# Altium PCB merci_mini.PcbDoc
Units mm, origin at the board's own origin, x right, y up, seen from the top; angles counter-clockwise.
Board outline 18.25 x 46.25 mm, 2 copper layers (Top Layer, Bottom Layer); 53 components, 40 nets, 250 pads, 88 vias.
Unrouted connection lines stored in the file: 1.
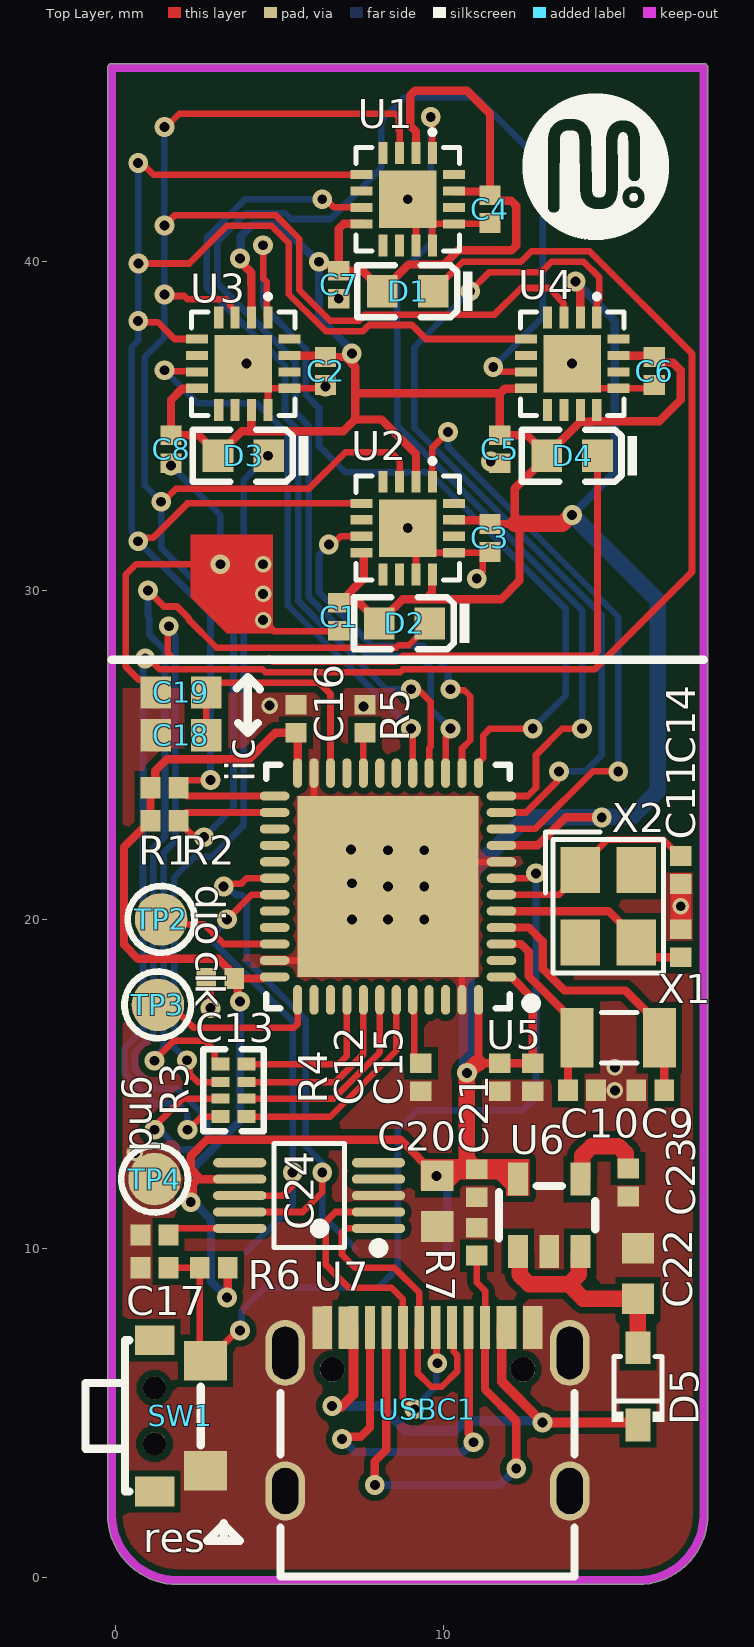
[diagram p0: Top Layer view]
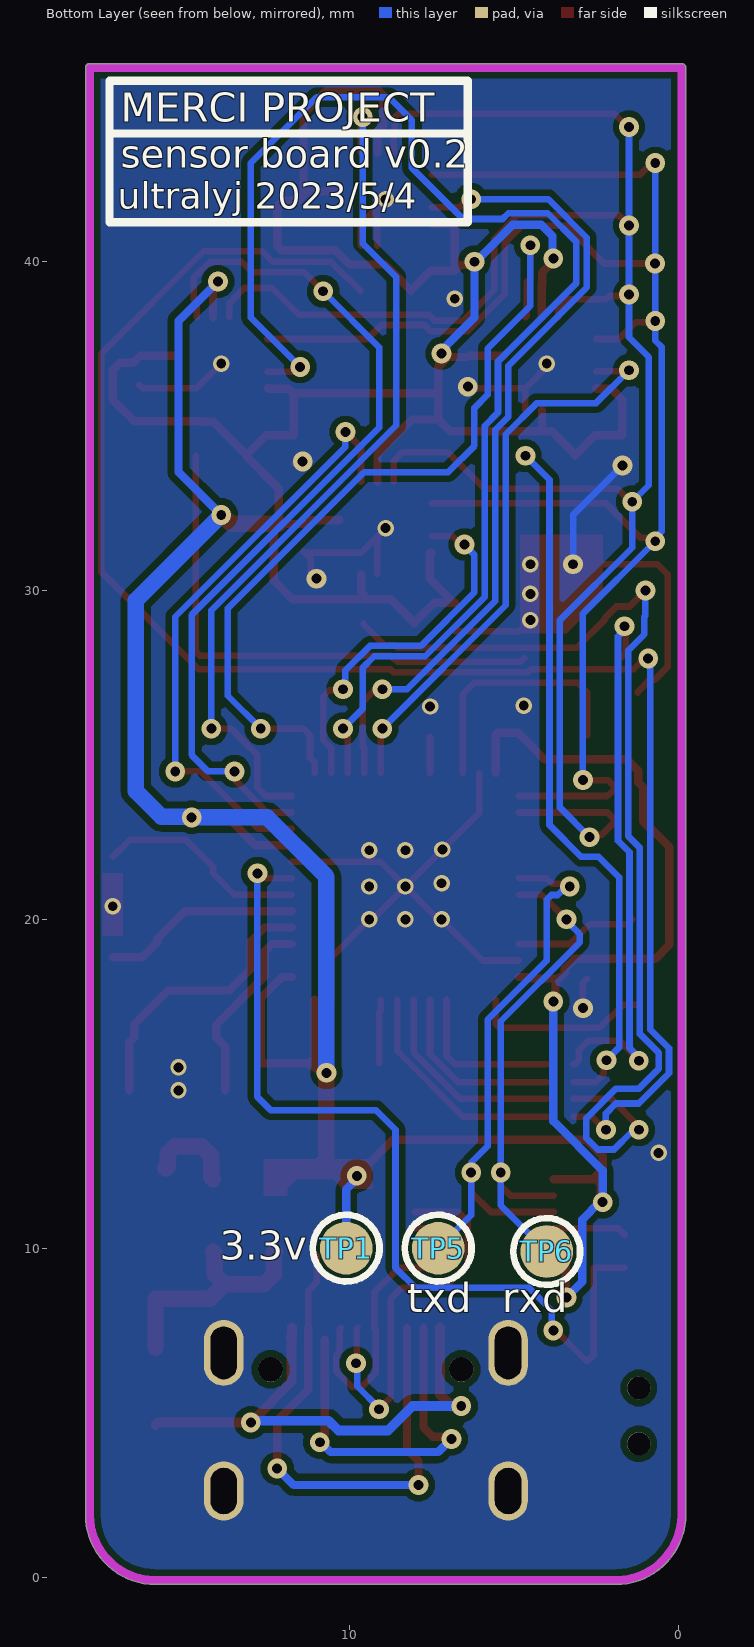
[diagram p1: Bottom Layer view, seen from below]
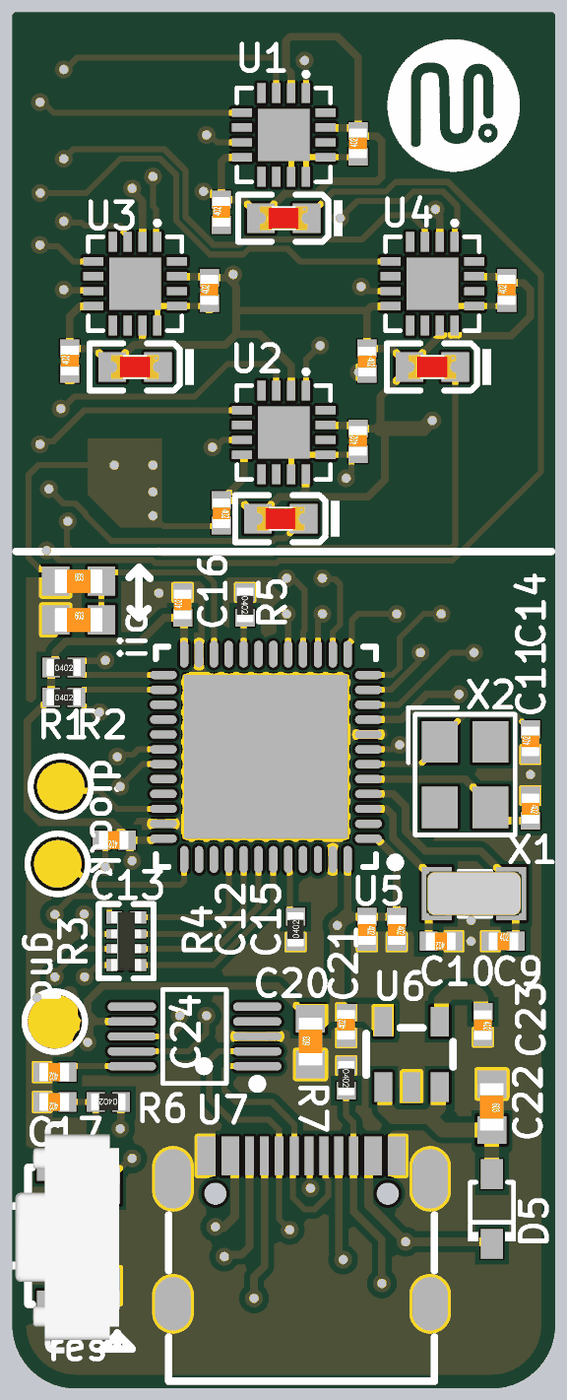
[diagram p2: 3D render of the assembled board from above, using the file's embedded part models]

## Layer stack, top to bottom
Top Solder: solder mask 0.0102, Solder Resist, Dk 3.5
Top Layer: signal copper 0.0356
Dielectric 1: dielectric 0.32, FR-4, Dk 4.8
Bottom Layer: signal copper 0.0356
Bottom Solder: solder mask 0.0102, Solder Resist, Dk 3.5

## Board outline
-0.227,1.9 -0.227,45.9 cw(c-0.1,45.9) -0.1,46.027 17.9,46.027 cw(c17.9,45.9) 18.027,45.9 18.027,1.9 cw(c15.9,1.9) 15.9,-0.227 1.9,-0.227 cw(c1.9,1.9)

## Design rules (kind name [scope] priority, off if disabled: settings)
Clearance [All] p1: gap=0.2 ignorepadtopadclearanceinfootprint=TRUE except(0.117: Arc-Arc Arc-Track Arc-SMDPad Arc-THPad Arc-Text Arc-Hole Track-Track Track-SMDPad Track-THPad Track-Text Track-Hole SMDPad-SMDPad SMDPad-THPad SMDPad-Text SMDPad-Hole THPad-THPad THPad-Text THPad-Hole Fill-Text Fill-Hole Poly-Text Poly-Hole Region-Text Region-Hole Text-Text Text-Hole)
HoleSize [All] p1: absolutevalues=TRUE maxlimit=5 minlimit=0.025 maxpercent=80.000 minpercent=20.000
MinimumSolderMaskSliver [All] p1: minsoldermaskwidth=0
PolygonConnect [All] p1: connectstyle=Direct reliefconductorwidth=0.254 reliefentries=4 polygonreliefangle="90 Angle" airgapwidth=0.254
RoutingVias [All] p1: holewidth=0.3 width=0.6 viastyle="Through Hole" minholewidth=0.3 minwidth=0.6 maxholewidth=0.3 maxwidth=0.6
SilkToSilkClearance [All] p1: silktosilkclearance=0
SilkToSolderMaskClearance [IsPad] p1: minsilkscreentomaskgap=0 clearancetoexposedcopper=TRUE
SolderMaskExpansion [All] p1: expansion=0.102 istentingtop=FALSE
Width [All] p1: maxlimit=0.5 minlimit=0.102 preferedwidth=0.2
26 further rules are at their usual default settings.

## Classes and differential pairs
component class merci_proc: C9 C10 C11 C12 C13 C14 C15 C16 C17 C18 C19 C20 C21 C22 C23 C24 D1 D2 D3 D4 D5 gg R3 R4 R5 R6 R7 SW1 TP1 TP4 TP5 TP6 U5 U6 U7 USBC1 X1 X2
component class merci_main: C1 C2 C3 C4 C5 C6 C7 C8 R1 R2 U1 U2 U3 U4

## Components (designator, comment, footprint, x,y, rotation, side; value= is the part's Value field where it differs from the comment)
C1 "100nF (104) 10% 16V" LC-0402_C_NOSILK 6.8,29.2 r270 top
C2 "100nF (104) 10% 16V" LC-0402_C_NOSILK 6.4,36.675 r90 top
C3 "100nF (104) 10% 16V" LC-0402_C_NOSILK 11.4,31.6 r90 top
C4 "100nF (104) 10% 16V" LC-0402_C_NOSILK 11.4,41.6 r90 top
C5 "100nF (104) 10% 16V" LC-0402_C_NOSILK 11.7,34.3 r270 top
C6 "100nF (104) 10% 16V" LC-0402_C_NOSILK 16.4,36.675 r90 top
C7 "100nF (104) 10% 16V" LC-0402_C_NOSILK 6.8,39.3 r90 top
C8 "100nF (104) 10% 16V" LC-0402_C_NOSILK 1.7,34.3 r90 top
C9 "12pF (120) 5% 50V" LC-0402_C_NOSILK 16.275,14.8 r0 top
C10 "12pF (120) 5% 50V" LC-0402_C_NOSILK 14.2,14.8 r180 top
C11 "12pF (120) 5% 50V" LC-0402_C_NOSILK 17.2,19.275 r270 top
C12 "100nF (104) 10% 16V" LC-0402_C_NOSILK 11.7,15.2 r270 top
C13 "100nF (104) 10% 16V" LC-0402_C_NOSILK 3.2,18.2 r180 top
C14 "12pF (120) 5% 50V" LC-0402_C_NOSILK 17.2,21.5 r90 top
C15 "100nF (104) 10% 16V" LC-0402_C_NOSILK 12.7,15.2 r270 top
C16 "100nF (104) 10% 16V" LC-0402_C_NOSILK 5.5,26.1 r90 top
C17 "100nF (104) 10% 16V" LC-0402_C_NOSILK 1.2,9.4 r180 top
C18 "2.2uF (225) 10% 16V" LC-0603_C_NOSILK 2,25.6 r0 top
C19 "2.2uF (225) 10% 16V" LC-0603_C_NOSILK 2,26.9 r0 top
C20 "2.2uF (225) 10% 16V" LC-0603_C_NOSILK 9.8,11.43 r90 top
C21 "100nF (104) 10% 16V" LC-0402_C_NOSILK 11,11.975 r90 top
C22 "1uF (105) 10% 50V" LC-0603_C_NOSILK 15.9,9.23 r270 top
C23 "10nF (103) 10% 50V" LC-0402_C_NOSILK 15.6,12 r270 top
C24 "100nF (104) 10% 16V" LC-0402_C_NOSILK 1.2,10.4 r180 top
D1 "白灯 0603" LC-0603_LED_S1 8.9,39.1 r180 top
D2 "白灯 0603" LC-0603_LED_S1 8.8,29 r180 top
D3 "白灯 0603" LC-0603_LED_S1 3.9,34.1 r180 top
D4 "白灯 0603" LC-0603_LED_S1 13.9,34.1 r180 top
D5 "1N5819" SOD-323_L1.8-W1.3-LS2.5-RD 15.9,5.8 r90 top
R1 "10KΩ (1002) ±1%" LC-0402_R_NOSILK 1.5,23 r0 top
R2 "10KΩ (1002) ±1%" LC-0402_R_NOSILK 1.5,24 r0 top
R3 "10KΩ (103) ±5%" LC-0402_Rx4 3.6,14.8 r90 top
R4 "10KΩ (1002) ±1%" LC-0402_R_NOSILK 9.3,15.2 r90 top
R5 "10KΩ (1002) ±1%" LC-0402_R_NOSILK 7.6,26.1 r270 top
R6 "10KΩ (1002) ±1%" LC-0402_R_NOSILK 3,9.4 r180 top
R7 "5.1KΩ (5101) ±1%" LC-0402_R_NOSILK 11,10.2 r270 top
SW1 "TS24CA" SW-SMD_TS24CA 1.975,4.9 r90 top
TP1 "TEST" "TEST 1.6" 10.1,10 r180 bottom
TP2 "TEST" "TEST 1.6" 1.4,20 r0 top
TP3 "TEST" "TEST 1.6" 1.3,17.4 r0 top
TP4 "TEST" "TEST 1.6" 1.2,12.1 r0 top
TP5 "TEST" "TEST 1.6" 7.3,10 r180 bottom
TP6 "TEST" "TEST 1.6" 4,9.9 r180 bottom
U1 "MLX90393ELW-ABA-011-SP" QFN-16_L3.0-W3.0-P0.50-TR-EP1.7 8.9,41.9 r0 top
U2 "MLX90393ELW-ABA-011-SP" QFN-16_L3.0-W3.0-P0.50-TR-EP1.7 8.9,31.9 r0 top
U3 "MLX90393ELW-ABA-011-SP" QFN-16_L3.0-W3.0-P0.50-TR-EP1.7 3.9,36.9 r0 top
U4 "MLX90393ELW-ABA-011-SP" QFN-16_L3.0-W3.0-P0.50-TR-EP1.7 13.9,36.9 r0 top locked
U5 "STM32F411CEU6" "UFQFPN-48_L7.0-W7.0-P0.50-BL-EP - duplicate" 8.3,21 r90 top locked
U6 "SPX3819M5-3.3" SOT-23-5_L2.9-W1.6-P0.95-LS2.8-BL 13.2,11 r0 top
U7 "CH340E" MSOP-10_L3.0-W3.0-P0.50-LS5.0-BL 5.9,11.6 r90 top
USBC1 "TYPE-C-31-M-12" USB-C_SMD-TYPE-C-31-M-12 9.5,5.1 r0 top locked
X1 "FC-135 32.7680KA-A0" CRYSTAL-SMD_L3.2-W1.5-FC-135R32.7680KF-A3 15.3,16.4 r0 top
X2 "8MHz" CRYSTAL-SMD_4P-L3.2-W2.5-BL 15,20.4 r270 top

## Footprints (in the part's own frame and the unit in brackets; to place one, negate y for a bottom-side part, rotate by r counter-clockwise, add the part's x,y. Pads: shape width x height; smd on the part's side, far side on the other; paste and mask are expansions set on the pad)
CRYSTAL-SMD_4P-L3.2-W2.5-BL [mm]
  rect 1.4x1.2 smd: 1(-1.1,-0.85) 2(1.1,-0.85) 3(1.1,0.85) 4(-1.1,0.85)
  silkscreen extent -2.26,-1.91 2.03,1.68, body extent -1.55,-1.25 1.65,1.25, height 0.6
CRYSTAL-SMD_L3.2-W1.5-FC-135R32.7680KF-A3 [mm]
  rect 1x1.8 smd: 1(-1.25,0) 2(1.25,0)
  silkscreen extent -0.51,-0.76 0.57,0.76, body extent -1.6,-0.75 1.6,0.75, height 0.9
LC-0402_C_NOSILK [mm]
  rect 0.6x0.65 smd mask+0.051: 1(-0.425,0) 2(0.425,0)
  body extent -0.48,-0.3 0.52,0.3, height 0.2
LC-0402_R_NOSILK [mm]
  rect 0.6x0.65 smd mask+0.051: 1(-0.425,0) 2(0.425,0)
  body extent -0.57,-0.27 0.58,0.28, height 0.41
LC-0402_Rx4 [mm]
  rect 0.4x0.55 smd mask+0.051: 1(-0.8,-0.4) 4(0.8,-0.4) 5(0.8,0.4) 8(-0.8,0.4)
  rect 0.3x0.55 smd mask+0.051: 2(-0.25,-0.4) 3(0.25,-0.4) 6(0.25,0.4) 7(-0.25,0.4)
  silkscreen extent -1.25,-0.93 1.25,0.92, body extent -1,-0.5 1,0.5, height 0.45
LC-0603_C_NOSILK [mm]
  rect 0.93x0.98 smd: 1(-0.77,0) 2(0.77,0)
  body extent -0.8,-0.4 0.8,0.4, height 0.3
LC-0603_LED_S1 [mm]
  rect 0.93x0.98 smd: A(0.77,0) K(-0.77,0)
  silkscreen extent -1.98,-0.79 1.54,0.79, body extent -0.8,-0.4 0.8,0.4, height 0.6
MSOP-10_L3.0-W3.0-P0.50-LS5.0-BL [mm]
  oval 0.28x1.62 smd: 1(-1,-2.11) 2(-0.5,-2.11) 3(0,-2.11) 4(0.5,-2.11) 5(1,-2.11) 6(1,2.11) 7(0.5,2.11) 8(0,2.11) 9(-0.5,2.11) 10(-1,2.11)
  silkscreen extent -1.74,-2.26 1.58,1.07, body extent -1.5,-2.44 1.5,2.59, height 1.05
QFN-16_L3.0-W3.0-P0.50-TR-EP1.7 [mm]
  rect 0.28x0.665 smd: 1(0.75,1.407) 2(0.25,1.407) 3(-0.25,1.407) 4(-0.75,1.407) 9(-0.75,-1.407) 10(-0.25,-1.407) 11(0.25,-1.407) 12(0.75,-1.407)
  rect 0.665x0.28 smd: 5(-1.407,0.75) 6(-1.407,0.25) 7(-1.407,-0.25) 8(-1.407,-0.75) 13(1.407,-0.75) 14(1.407,-0.25) 15(1.407,0.25) 16(1.407,0.75)
  rect 1.75x1.75 smd: 17(0,0)
  silkscreen extent -1.58,-1.58 1.58,2.11, body extent -1.5,-1.5 1.5,1.5
SOD-323_L1.8-W1.3-LS2.5-RD [mm]
  rect 1x0.75 smd paste+0 mask+0.051: 1(-1.173,0) 2(1.173,0)
  silkscreen extent -1.08,-0.8 0.9,0.8, body extent -1.3,-0.64 1.3,0.71, height 1.1
SOT-23-5_L2.9-W1.6-P0.95-LS2.8-BL [mm]
  rect 0.6x1 smd: 1(-0.95,-1.1) 2(0,-1.1) 3(0.95,-1.1) 4(0.95,1.1) 5(-0.95,1.1)
  silkscreen extent -1.52,-0.7 1.4,0.89, body extent -1.47,-1.25 1.53,1.25, height 1.01
SW-SMD_TS24CA [mm]
  rect 0.9x1.2 smd: 1(-2.3,0.775) 2(2.3,0.775)
  rect 1.2x1.3 smd: 3(-1.675,-0.775) 4(1.675,-0.775)
  round 0.7 hole 0.7 unplated: ""(-0.85,0.775) ""(0.85,0.775)
  silkscreen extent -2.3,-0.62 2.3,2.88, body extent -3.95,-1.4 3.85,2.11, height 3.5
"TEST 1.6" [mm] "测试点1.6mm"
  round 1.6 smd paste-1.6: 1(0,0)
  silkscreen extent -1.02,-1.02 1.01,1.02
"UFQFPN-48_L7.0-W7.0-P0.50-BL-EP - duplicate" [mm]
  oval 0.28x0.9 smd: 1(-2.751,-3.449) 2(-2.25,-3.449) 3(-1.75,-3.449) 4(-1.25,-3.449) 5(-0.749,-3.449) 6(-0.249,-3.449) 7(0.249,-3.449) 8(0.749,-3.449) 9(1.25,-3.449) 10(1.75,-3.449) 11(2.251,-3.449) 12(2.751,-3.449) 25(2.751,3.449) 26(2.251,3.449) 27(1.75,3.449) 28(1.25,3.449) 29(0.749,3.449) 30(0.249,3.449) 31(-0.249,3.449) 32(-0.749,3.449) 33(-1.25,3.449) 34(-1.75,3.449) 35(-2.25,3.449) 36(-2.751,3.449)
  oval 0.9x0.28 smd: 13(3.449,-2.751) 14(3.449,-2.25) 15(3.449,-1.75) 16(3.449,-1.25) 17(3.449,-0.749) 18(3.449,-0.249) 19(3.449,0.249) 20(3.449,0.749) 21(3.449,1.25) 22(3.449,1.75) 23(3.449,2.25) 24(3.449,2.751) 37(-3.449,2.751) 38(-3.449,2.25) 39(-3.449,1.75) 40(-3.449,1.25) 41(-3.449,0.749) 42(-3.449,0.249) 43(-3.449,-0.249) 44(-3.449,-0.749) 45(-3.449,-1.25) 46(-3.449,-1.75) 47(-3.449,-2.25) 48(-3.449,-2.751)
  rect 5.5x5.5 smd: 49(0,0)
  silkscreen extent -3.7,-4.5 3.7,3.7, body extent -3.48,-3.48 3.54,3.54, height 0.78
USB-C_SMD-TYPE-C-31-M-12 [mm]
  oval 1.2x2 hole 0.8 slot 1.6 at 90 deg: 0(-4.325,1.716) 1(4.325,1.716)
  oval 1.2x1.8 hole 0.8 slot 1.4 at 90 deg: 2(4.325,-2.484) 3(-4.325,-2.484)
  rect 0.3x1.3 smd: A1(-3.35,2.484) A4(-2.55,2.484) A5(-1.25,2.484) A6(-0.25,2.484) A7(0.25,2.484) A8(1.25,2.484) A9(2.55,2.484) A12(3.35,2.484) B1(3.05,2.484) B4(2.25,2.484) B5(1.75,2.484) B6(0.75,2.484) B7(-0.75,2.484) B8(-1.75,2.484) B9(-2.25,2.484) B12(-3.05,2.484)
  round 0.75 hole 0.75 unplated: ""(-2.9,1.216) ""(2.9,1.216)
  silkscreen extent -4.47,-5.08 4.47,0.5, body extent -4.55,-5.19 4.39,2.71, height 3.13

## Part data
C1 C2 C3 C4 C5 C6 C7 C8 C12 C13 C15 C16 C17 C21 C24: library part "0402 100nF (104) 10% 16V", "贴片电容", Package=0402, SuppliersPartNumber=C1525, ComponentLink1Description=供应商链接, ComponentLink1URL=http://www.szlcsc.com/product/details_1877.html, Supplier=LC
C9 C10 C11 C14: library part "0402 12pF (120) 5% 50V", "贴片电容", Package=0402, SuppliersPartNumber=C1547, ComponentLink1Description=供应商链接, ComponentLink1URL=http://www.szlcsc.com/product/details_1899.html, Supplier=LC
C18 C19 C20: library part "0603 2.2uF (225) 10% 16V", "贴片电容", Package=0603, SuppliersPartNumber=C23630, ComponentLink1Description=供应商链接, ComponentLink1URL=http://www.szlcsc.com/product/details_24366.html, Supplier=LC
C22: library part "0603 1uF (105) 10% 50V", "贴片电容", Package=0603, SuppliersPartNumber=C15849, ComponentLink1Description=供应商链接, ComponentLink1URL=http://www.szlcsc.com/product/details_16531.html, Supplier=LC
C23: library part "0402 10nF (103) 10% 50V", "贴片电容", Package=0402, SuppliersPartNumber=C15195, ComponentLink1Description=供应商链接, ComponentLink1URL=http://www.szlcsc.com/product/details_15869.html, Supplier=LC
D1 D2 D3 D4: library part "0603 白灯", "发光二极管", Package=0603, SuppliersPartNumber=C2290, ComponentLink1Description=供应商链接, ComponentLink1URL=http://www.szlcsc.com/product/details_2663.html, Supplier=LC
D5: "肖特基二极管", BOM名称=肖特基二极管, 学习资源=www.ooocke.com, 属性=40V/2A, 版权归属=源创客
R1 R2 R4 R5 R6: library part "0402 10KΩ (1002) 1%", "贴片电阻", Package=0402, SuppliersPartNumber=C25744, ComponentLink1Description=供应商链接, ComponentLink1URL=http://www.szlcsc.com/product/details_26487.html, Supplier=LC
R3: library part "0402*4 10KΩ (103) 5%", "贴片排阻", Package=0402*4, SuppliersPartNumber=C25725, ComponentLink1Description=供应商链接, ComponentLink1URL=http://www.szlcsc.com/product/details_26468.html, Supplier=LC
R7: library part "0402 5.1KΩ (5101) 1%", "贴片电阻", Package=0402, SuppliersPartNumber=C25905, ComponentLink1Description=供应商链接, ComponentLink1URL=http://www.szlcsc.com/product/details_26648.html, Supplier=LC
SW1: "按键", BOM_JLCPCB Part Class="Extended Part", BOM_Manufacturer="SHOU HAN(首韩)", BOM_Manufacturer Part=TS24CA, BOM_Supplier=LCSC, BOM_Supplier Part=C393942, Contributor=LCSC, spicePre=S, spiceSymbolName=TS24CA
TP1 TP2 TP3 TP4 TP5 TP6: "测试点", BOM名称=测试点, 学习资源=www.ooocke.com, 版权归属=源创客
U1 U2 U3 U4: BOM_JLCPCB Part Class="Extended Part", BOM_Manufacturer=Melexis(比利时迈来芯), BOM_Manufacturer Part=MLX90393ELW-ABA-011-SP, BOM_Supplier=LCSC, BOM_Supplier Part=C1526586, Contributor=LCSC, spicePre=U, spiceSymbolName=MLX90393ELW-ABA-011-SP
U5: BOM_JLCPCB Part Class="Extended Part", BOM_Manufacturer=ST(意法半导体), BOM_Manufacturer Part=STM32F411CEU6, BOM_Supplier=LCSC, BOM_Supplier Part=C60420, spicePre=U, spiceSymbolName=STM32F411CEU6
U6: "Vin=16V Vout=3.3V 500mA LDO", BOM_JLCPCB Part Class="Extended Part", BOM_Manufacturer=null, BOM_Manufacturer Part=SPX3819M5-3.3, BOM_Supplier=LCSC, BOM_Supplier Part=C9900018941, Contributor=lcsc, spicePre=U, spiceSymbolName=SPX3819M5-3.3
U7: "ttl-usb芯片", BOM_JLCPCB Part Class="Extended Part", BOM_Manufacturer=WCH(南京沁恒), BOM_Manufacturer Part=CH340E, BOM_Supplier=LCSC, BOM_Supplier Part=C99652, spicePre=U, spiceSymbolName=CH340E
USBC1: "贴片type-c母座", BOM_JLCPCB Part Class="Extended Part", BOM_Manufacturer=韩国韩荣, BOM_Manufacturer Part=TYPE-C-31-M-12, BOM_Supplier=LCSC, BOM_Supplier Part=C165948, Contributor=LCSC, spicePre=U, spiceSymbolName=TYPE-C-31-M-12
X1: BOM_Manufacturer=EPSON(爱普生), BOM_Manufacturer Part="FC-135 32.7680KA-A0", BOM_Supplier=LCSC, BOM_Supplier Part=C2650444, Contributor=lcsc, link=https://atta.szlcsc.com/upload/public/pdf/source/20211127/C2650444_3DEB46927A758E75F8CF3F6FA0A6BD9B.pdf, spicePre=X, spiceSymbolName="FC-135 32.7680KA-A0"
X2: BOM_Manufacturer=JWT(晶威特), BOM_Manufacturer Part=CF4008M00012T8188031, BOM_Supplier=LCSC, BOM_Supplier Part=C2933033, Contributor=LCSC, nameAlias=Frequency, spicePre=X, spiceSymbolName=CF4008M00012T8188031

## Via types
v1: diameter 0.6, hole 0.3, Top Layer to Bottom Layer, tented both sides, 65 vias
v2: diameter 0.5, hole 0.3, Top Layer to Bottom Layer, tented both sides, 23 vias

## Nets (pads, with @x,y where several pads share a name; then routed paths per layer and width w, separated by ;. In a path a pad name is that pad's centre, name@x,y a point inside that pad or via, vN(x,y) a via of type N, cw(c..) or ccw(c..) an arc to the next point about the centre after c; other vN are vias at no path point)
BOOT0: R4.2 U5.44 | length 1.9
  Top Layer w0.2: U5.44 9.049,17.219 9.1,17.168 R4.2@9.1,15.625
BOOT1: R5.2 U5.20 | length 1.1
  Top Layer w0.2: U5.20 R5.2@7.551,25.55
GND: C1.2 C2.1 C3.1 C4.1 C5.2 C6.1 C7.1 C8.1 C9.1 C10.1 C11.1 C12.2 C13.2 C14.1 C15.2 C16.2 C17.2 C18.1 C19.1 C20.1 C21.1 C22.1 C23.2 C24.2 R4.1 R5.1 R7.1 SW1.3 TP4.1 U1.11 U1.12 U1.13 U1.17 U2.11 U2.13 U2.17 U3.12 U3.13 U3.17 U4.13 U4.17 U5.8 U5.23 U5.35 U5.47 U5.49 U6.2 U7.3 USBC1.0 USBC1.1 USBC1.2 USBC1.3 USBC1.A1 USBC1.A12 USBC1.B1 USBC1.B12 | length 47.2
  Top Layer w0.2: C19.1 1.23,26.925 0.865,27.29 0.713,27.29 0.317,27.686 0.317,30.483 0.634,30.8 v1(3.2,30.8) ; v1(1.7,33.8) C8.1 ; C13.2 2.9,18.075 v1(2.9,17.3) ; U3.17 U3.17@4.65,36.15 ; v2(4.5,29.1) 4.844,28.756 6.781,28.756 C1.2 ; U3.12 U3.17@4.65,36.15 ; U5.35 5.95,18.75 v2(7.2,20) 7.3,20 v2(8.3,21) ; U5.23 6.05,23.25 v2(7.175,22.125) v2(8.3,21) ; C2.1@6.3,36.15 U3.13 U3.17@4.65,36.15 ; v1(6.4,36.2) C2.1 ; v2(8.9,31.9) U2.17@9.15,31.65 ; v2(8.9,41.9) U1.17@9.15,41.65 ; U2.11 U2.17@9.15,31.65 ; U1.11 U1.17@9.15,41.65 ; U1.12 U1.17@9.65,41.15 ; U5.47 10.55,18.85 v2(9.4,20) 9.3,20 v2(8.3,21) ; v1(11,30.361) 11,30.408 11.175,30.583 11.175,30.975 C3.1@11.35,31.15 ; C3.1 11.375,31.175 C3.1@11.35,31.15 ; C4.1 11.375,41.15 U1.13 U1.17@9.65,41.15 ; v1(11.424,33.925) 11.474,33.875 C5.2 ; U5.8 9.049,21.749 v2(8.3,21) ; v2(13.9,36.9) 14.65,36.15 U4.13 16.3,36.15 C6.1 ; U2.17@9.15,31.65 9.65,31.15 U2.13 C3.1@11.35,31.15 ; U1.17@9.15,41.65 U1.17@9.65,41.15
  Bottom Layer w0.2: v1(1.7,33.8) 3.2,32.3 v1(3.2,30.8)
  other v2: 0.6,12.9 15.2,14.8 15.2,15.5 8.3,20 17.2,20.4 9.4,21 7.2,21.1 8.3,22.1 9.4,22.1 7.549,26.474 4.7,26.5 4.5,29.9 4.5,30.8 4,36.9 6.8,38.875
I2C0_SCL: R1.2 U1.3 U2.3 U3.3 U4.3 U5.26 | length 62.6
  Top Layer w0.2: v1(1.4,32.7) 1.457,32.7 1.857,33.1 5.9,33.1 7,34.2 8.4,34.2 8.65,33.95 U2.3 ; v1(1.5,39) 1.543,38.957 2.1,38.957 2.2,38.857 3.38,38.857 3.507,38.73 3.507,38.643 3.65,38.5 U3.3 ; v1(1.5,41.1) 1.817,41.417 4.88,41.417 5.6,40.697 5.6,39.143 6.543,38.2 7.403,38.2 7.596,38.393 11.542,38.393 12.349,39.2 13.2,39.2 13.53,38.87 13.53,38.846 13.65,38.725 U4.3 ; v1(1.5,44.1) 1.549,44.1 1.949,44.5 8.512,44.5 8.629,44.383 8.629,43.998 8.65,43.977 U1.3 ; v1(2.7,22.5) 2.623,22.577 2.323,22.577 1.925,22.975 R1.2 1.925,23.025 2.15,23.25 U5.26
  Bottom Layer w0.2: v1(1.5,44.1) v1(1.5,41.1) v1(1.5,39) 1.5,37.7 0.9,37.1 0.9,33.2 v1(1.4,32.7) 1.4,31.3 3.6,29.1 3.6,23.4 v1(2.7,22.5)
I2C0_SDA: R2.2 U1.5 U2.5 U3.5 U4.5 U5.25 | length 55
  Top Layer w0.2: v1(0.7,31.5) 0.808,31.5 0.908,31.6 1.149,31.6 2.199,32.65 U2.5 ; v1(0.7,38.2) 0.741,38.159 1.3,38.159 1.809,37.65 U3.5 ; v1(0.7,43) 0.808,43 1.158,42.65 U1.5 ; v1(0.711,39.945) 2.257,39.945 3.411,41.1 4.749,41.1 5.283,40.566 5.283,39.012 6.254,38.041 6.412,37.883 7.534,37.883 7.692,38.041 7.727,38.076 9.026,38.076 9.452,37.65 U4.5 ; v1(2.9,24.239) 2.886,24.225 2.125,24.225 1.925,24.025 R2.2 1.925,23.975 2.125,23.775 2.15,23.775 2.174,23.751 U5.25
  Bottom Layer w0.2: v1(0.7,43) 0.7,39.945 0.706,39.94 0.706,38.206 v1(0.7,38.2) 0.7,37.597 0.5,37.397 0.5,31.808 0.777,31.532 0.777,31.423 2.9,29.3 v1(2.9,24.239)
MAG0_INT: U1.1 U5.12 | length 26.4
  Top Layer w0.2: v1(9.6,44.4) 9.65,44.35 U1.1 ; U5.12 12.551,23.751 12.8,24 12.8,25 13.6,25.8 v1(14.2,25.8)
  Bottom Layer w0.2: v1(9.6,44.4) 9.6,40.563 8.576,39.539 8.576,35.027 14.2,29.403 v1(14.2,25.8)
MAG0_TRIG: U1.7 U5.16 | length 25
  Top Layer w0.2: v1(6.3,41.9) 6.408,41.9 6.658,41.65 U1.7 ; v1(9,27) 9.077,26.923 9.287,26.923 9.6,26.61 9.6,25.25 9.55,25.199 U5.16
  Bottom Layer w0.2: v1(6.3,41.9) 3.952,41.9 2.783,40.731 2.783,39.22 5.166,36.837 5.166,35.282 5.566,34.882 5.566,29.682 8.248,27 v1(9,27)
MAG1_INT: U2.1 U5.10 | length 18.5
  Top Layer w0.2: U2.1 9.65,34.35 v1(10.123,34.823) ; U5.10 12.773,22.75 14.523,24.5 v1(15.3,24.5)
  Bottom Layer w0.2: v1(10.123,34.823) 10.124,34.821 10.124,34.376 15.3,29.2 v1(15.3,24.5)
MAG1_TRIG: U2.7 U5.14 | length 11.3
  Top Layer w0.2: v1(6.5,31.4) 6.608,31.4 6.858,31.65 U2.7 ; v1(10.2,27) 10.23,26.97 10.618,26.97 10.8,26.788 10.8,25.449 10.55,25.199 U5.14
  Bottom Layer w0.2: v1(6.5,31.4) 6.5,31.383 6.2,31.083 6.2,29.945 7.828,28.317 9.38,28.317 10.123,27.573 10.123,27.077 v1(10.2,27)
MAG2_INT: U3.1 U5.13 | length 25.5
  Top Layer w0.2: v1(4.5,40.5) 4.5,39.5 4.61,39.39 4.61,38.347 U3.1 ; U5.13 11.051,24.767 11.2,24.916 11.2,25.6 11.4,25.8 v1(12.7,25.8)
  Bottom Layer w0.2: v1(4.5,40.5) 4.5,38.655 5.8,37.355 5.8,35.951 6.2,35.551 6.2,34.4 7,33.6 9.555,33.6 13.7,29.455 13.7,26.8 v1(12.7,25.8)
MAG2_TRIG: U3.7 U5.17 | length 17.4
  Top Layer w0.2: v1(1.5,36.7) 1.525,36.675 2.468,36.675 U3.7 ; v1(9,25.8) 9.049,25.751 U5.17
  Bottom Layer w0.2: v1(1.5,36.7) 2.5,35.7 4.3,35.7 5.249,34.751 5.249,29.551 v1(9,25.8)
MAG3_INT: U4.1 U5.11 | length 26.8
  Top Layer w0.2: v1(10.8,39.1) 11.383,39.683 12.957,39.683 13.274,40 14.249,40 14.73,39.519 14.73,38.846 14.65,38.766 U4.1 ; U5.11 12.499,23.25 13.423,24.174 13.423,24.423 v1(13.5,24.5)
  Bottom Layer w0.2: v1(10.8,39.1) 9.1,37.4 9.1,34.952 14.8,29.252 14.8,25 14.3,24.5 v1(13.5,24.5)
MAG3_TRIG: U4.7 U5.15 | length 41.5
  Top Layer w0.2: U5.15 10.05,25.542 10.2,25.692 v1(10.2,25.8) ; v1(11.5,36.8) 11.608,36.8 11.758,36.65 U4.7
  Bottom Layer w0.2: v1(10.2,25.8) 9.6,26.4 9.6,27.649 9.249,28 7.697,28 5.883,29.814 5.883,35.014 5.483,35.414 5.483,36.968 3.1,39.351 3.1,40.6 3.971,41.471 5.174,41.471 5.345,41.3 6.549,41.3 8.1,42.851 8.1,44.3 8.8,45 11,45 13,43 13,38.3 v1(11.5,36.8)
NetC9_2: C9.2 U5.4 X1.2 | length 8.6
  Top Layer w0.254: U5.4 12.58,19.75 13,19.331 13,18.5 13.664,17.836 15.514,17.836 16.55,16.8 X1.2 16.7,16.25 C9.2
NetC10_2: C10.2 U5.3 X1.1 | length 5.9
  Top Layer w0.254: U5.3 12.35,19.25 12.577,19.023 12.577,18.273 14.05,16.8 X1.1 13.775,16.125 C10.2
NetC11_2: C11.2 U5.5 X2.3 | length 6.1
  Top Layer w0.254: U5.5 14.999,20.251 15.85,19.4 X2.3 16.3,18.85 C11.2
NetC14_2: C14.2 U5.6 X2.1 | length 6.5
  Top Layer w0.2: U5.6 13.501,20.751 14.15,21.4 X2.1 14.15,21.6 14.967,22.417 16.683,22.417 17.175,21.925 C14.2
NetC18_2: C18.2 C19.2 U5.22 | length 7.7
  Top Layer w0.2: C18.2 C19.2 3.07,27.2 6.2,27.2 6.55,26.85 U5.22
NetC23_1: C23.1 U6.4 | length 2.8
  Top Layer w0.5: U6.4 14.2,12.15 14.2,12.807 14.493,13.1 15.307,13.1 15.525,12.882 15.525,12.475 15.575,12.425 C23.1
NetC24_1: C24.1 U7.10 | length 2.2
  Top Layer w0.2: C24.1 1.825,10.6 U7.10
NetD1_K: D1.K R3.8 | length 51.3
  Top Layer w0.2: v1(0.917,27.934) 1.026,27.934 1.353,27.607 4.479,27.607 4.569,27.517 8.668,27.517 8.751,27.6 14.581,27.6 17.544,30.563 17.544,37.204 14.431,40.317 12.659,40.317 12.342,40 10.57,40 10.06,39.49 10.035,39.49 9.67,39.125 D1.K ; v1(2.2,13.6) 2.225,13.6 2.625,14 R3.8
  Bottom Layer w0.2: v1(0.917,27.934) 0.849,27.866 0.849,16.646 0.283,16.08 0.283,15.32 1.203,14.4 1.9,14.4 2.2,14.1 v1(2.2,13.6)
NetD2_K: D2.K R3.7 | length 32.7
  Top Layer w0.2: v1(1,30) 1.485,29.515 1.882,29.515 2.234,29.164 2.234,29.115 3.091,28.258 8.55,28.258 8.629,28.337 8.932,28.337 9.57,28.975 D2.K ; v1(1.2,13.6) 1.2,13.7 2.05,14.55 R3.7
  Bottom Layer w0.2: v1(1,30) 1,29.239 1.034,29.205 1.034,28.667 1.517,28.183 1.517,22.524 1.166,22.173 1.166,16.515 0.6,15.949 0.6,15.451 1.209,14.842 1.906,14.842 2.8,13.948 2.8,13.351 2.449,13 1.951,13 1.428,13.523 1.277,13.523 v1(1.2,13.6)
NetD3_K: D3.K R3.6 | length 21.5
  Top Layer w0.2: v1(2.186,15.715) 2.263,15.638 2.263,15.299 2.511,15.05 R3.6 ; v1(4.649,34.1) D3.K
  Bottom Layer w0.2: v1(2.186,15.715) 1.8,16.101 1.8,21.283 2.417,21.9 2.949,21.9 3.917,22.868 3.917,33.368 v1(4.649,34.1)
NetD4_K: D4.K R3.5 | length 33.5
  Top Layer w0.2: v1(1.2,15.7) 1.2,15.723 1.791,16.315 2.728,16.315 3.025,16.018 3.025,15.7 3.125,15.6 R3.5 ; v1(1.634,28.915) 1.6,28.881 1.6,28.1 1.759,27.941 ; 4.693,27.941 4.8,27.834 8.537,27.834 8.63,27.927 8.667,27.927 8.76,28.02 14.553,28.02 14.67,28.137 D4.K
  Bottom Layer w0.2: v1(1.2,15.7) 1.2,15.808 1.483,16.091 1.483,22.042 1.834,22.393 1.834,28.606 1.634,28.807 v1(1.634,28.915)
NetR3_1: R3.1 U5.43 | length 6.9
  Top Layer w0.2: R3.1 6.545,14 8.549,16.004 U5.43
NetR3_2: R3.2 U5.42 | length 6.2
  Top Layer w0.2: R3.2 6.647,14.55 8.051,15.954 U5.42
NetR3_3: R3.3 U5.41 | length 5.6
  Top Layer w0.2: R3.3 6.698,15.05 7.551,15.902 U5.41
NetR3_4: R3.4 U5.40 | length 4.9
  Top Layer w0.2: R3.4 6.8,15.6 7.05,15.85 U5.40
NetR7_2: R7.2 USBC1.A5 USBC1.B5 | length 16.4
  Top Layer w0.2: R7.2 11,8.955 11.25,8.705 USBC1.B5
  Top Layer w0.254: v1(7.9,2.8) 7.9,3.522 8.25,3.872 USBC1.A5 ; USBC1.B5 11.25,5.702 12.2,4.752 v1(12.2,3.3)
  Bottom Layer w0.254: v1(7.9,2.8) 11.7,2.8 v1(12.2,3.3)
NetU7_1: U7.1 USBC1.A6 USBC1.B6 | length 10.1
  Top Layer w0.2: U7.1 7.017,10.6 6.9,10.483 6.9,9.8 7.3,9.4 8.5,9.4 9.25,8.65 USBC1.A6 9.2,7.534 9.2,6.749 9.2,6.2 9.617,5.783 9.931,5.783 10.4,6.251 10.4,6.749 10.3,6.848 10.3,7.534 USBC1.B6
NetU7_2: U7.2 USBC1.A7 USBC1.B7 | length 12.1
  Top Layer w0.2: U7.2 6.7,11.1 6.4,10.8 6.4,9.5 7.1,8.8 8.4,8.8 8.75,8.45 USBC1.B7 8.75,5.45 v1(9.1,5.1) ; USBC1.A7 9.775,7.559 9.775,6.525 v1(9.8,6.5)
  Bottom Layer w0.2: v1(9.1,5.1) 9.1,5.139 9.761,5.8 9.761,6.461 v1(9.8,6.5)
NetUSBC1_A8,B8: USBC1.A8 USBC1.B8 | length 11.5
  Top Layer w0.254: v1(6.9,4.2) 6.966,4.266 7.473,4.266 7.75,4.544 USBC1.B8 ; USBC1.A8@10.75,7.215 10.75,4.344 10.9,4.194 v1(10.9,4.1)
  Bottom Layer w0.254: v1(6.9,4.2) 7.3,3.8 10.578,3.8 10.878,4.1 v1(10.9,4.1)
NRST: C17.1 R6.2 SW1.4 U5.7 | length 27.9
  Top Layer w0.2: C17.1 R6.2 2.575,6.75 SW1.4 2.8,6.575 3.725,7.5 v1(3.8,7.5) ; U5.7 12.541,21.249 12.692,21.4 v1(12.8,21.4)
  Bottom Layer w0.2: v1(3.8,7.5) 3.849,7.549 3.849,8.1 4.549,8.8 8,8.8 8.6,9.4 8.6,13.6 9.2,14.2 12.4,14.2 12.8,14.6 v1(12.8,21.4)
SWCLK: TP3.1 U5.37 | length 5.3
  Top Layer w0.2: TP3.1 1.679,17.4 2.057,17.022 2.078,17.022 2.4,16.7 5.432,16.7 5.549,16.817 U5.37
SWDIO: TP2.1 U5.34 | length 3.8
  Top Layer w0.2: TP2.1 1.544,19.856 2.696,19.856 3.302,19.25 U5.34
USART1_RXD: TP6.1 U5.31 U7.8 | length 15.7
  Top Layer w0.2: v1(3.4,20) 4.151,20.751 U5.31 ; U7.8 5.1,11.6 5.4,11.9 v1(5.4,12.3)
  Bottom Layer w0.2: v1(3.4,20) 3.4,19.951 3,19.551 3,19.3 5.4,16.9 v1(5.4,12.3) 5.4,11.3 TP6.1
USART1_TXD: TP5.1 U5.30 U7.9 | length 17.8
  Top Layer w0.2: v1(3.3,21) 3.377,21.077 3.828,21.077 4,21.249 U5.30 ; U7.9 5.7,11.1 6.3,11.7 v1(6.3,12.3)
  Bottom Layer w0.2: v1(3.3,21) 3.408,21 3.667,20.741 3.859,20.741 4,20.6 4,18.748 5.8,16.948 5.8,13.1 6.3,12.6 v1(6.3,12.3) 6.3,11 TP5.1
VBUS_USB: D5.1 USBC1.A4 USBC1.A9 USBC1.B4 USBC1.B9 | length 16.1
  Top Layer w0.3: v1(6.6,5.2) 6.626,5.174 6.874,5.174 7.25,5.55 USBC1.B9 ; USBC1.B4 11.75,7.293 11.793,7.293 11.758,7.258 11.758,5.942 v1(13,4.7) 15.827,4.7 D5.1
  Bottom Layer w0.3: v1(6.6,5.2) 8.081,5.2 8.831,4.45 10.331,4.45 10.631,4.75 12.95,4.75 v1(13,4.7)
VCC_3V3: C1.1 C2.2 C3.2 C4.2 C5.1 C6.2 C7.2 C8.2 C12.1 C13.1 C15.1 C16.1 C20.2 C21.2 D1.A D2.A D3.A D4.A R1.1 R2.1 R6.1 TP1.1 U1.2 U1.8 U1.15 U2.2 U2.8 U2.12 U2.15 U3.2 U3.8 U3.11 U3.15 U4.2 U4.8 U4.11 U4.12 U4.15 U5.1 U5.9 U5.24 U5.36 U5.48 U6.5 U7.7 | length 164.7
  Top Layer w0.254: v1(2.3,11.4) 2.366,11.466 2.366,11.956 2.555,12.145 2.3,12.4 2.3,12.8 2.8,13.3 8.675,13.3 v1(9.775,12.2) C20.2 ; U3.8 2.48,36.137 2.037,36.137 1.7,35.8 C8.2 2.53,34.725 D3.A@3.13,34.125 ; 2.6,12.1 U7.7 ; D3.A D3.A@3.13,34.125 ; v1(3.4,8.5) 3.4,8.6 3.425,8.625 R6.1 ; v1(3.8,17.5) 3.734,17.566 3.734,18.091 C13.1 ; v1(3.8,40.1) 3.8,40.006 4.14,39.667 4.14,39.297 4.15,39.287 U3.2 ; U3.11@4.145,35.487 4.145,34.848 ; U5.36 4.534,18.249 4.485,18.2 C13.1 ; U3.15 5.32,37.137 6.363,37.137 C2.2 7,37.1 7.3,36.8 ; U5.24 5.549,25.626 C16.1 4.875,25.675 4.7,25.5 4.066,24.866 1.566,24.866 1.215,24.515 1.215,24.165 1.075,24.025 R1.1 1.075,22.975 0.902,22.802 0.877,22.802 0.271,22.196 0.271,19.229 0.7,18.8 3.145,18.8 3.452,18.493 3.452,18.373 C13.1 ; v1(6.2,40) 6.294,40 6.396,39.898 6.627,39.898 C7.2 ; C1.1 C1.1@6.825,29.625 ; v1(7.2,37.212) 7.266,37.146 7.266,36.834 7.3,36.8 ; U2.8 7.548,31.15 7.561,31.137 7.561,30.361 C1.1@6.825,29.625 ; U1.8 6.949,41.15 6.8,41.001 C7.2 ; D2.A D2.A@8.03,29.025 ; D1.A D1.A@8.13,39.125 ; U2.2 9.15,34.15 8.1,35.2 7.3,35.2 ; U1.2 9.15,43.963 8.973,44.14 8.973,45.051 9.122,45.2 10.7,45.2 11.4,44.5 C4.2 ; U2.12 9.637,30.48 9.637,29.937 9.434,29.734 ; U2.15 10.32,32.137 11.288,32.137 C3.2 12.151,32.025 ; U1.15 10.32,42.137 11.288,42.137 C4.2 ; U5.48 11.051,15.625 C12.1 C15.1 12.7,17.59 12.064,18.225 12.064,18.237 12.052,18.249 U5.1 ; U5.9 12.85,22.25 13.7,23.1 v1(14.8,23.1) ; U4.8 12.48,36.137 11.849,36.137 11.7,35.988 ; v1(14,39.4) 14,39.306 14.15,39.156 U4.2 ; U4.15 15.32,37.137 16.363,37.137 C6.2 16.573,36.927 16.973,36.927 17.2,36.7 17.2,35.8 16.553,35.153 14.503,35.153 14.503,35.132 14.137,35.132 D4.A@13.13,34.125 ; D3.A@3.13,34.125 3.852,34.848 4.145,34.848 ; 4.145,34.848 6.948,34.848 7.3,35.2 ; C7.2 7.53,39.725 D1.A@8.13,39.125 ; C1.1@6.825,29.625 7.43,29.625 D2.A@8.03,29.025 ; 7.3,35.2 7.3,36 ; 7.3,36 11.688,36 11.7,35.988 ; 7.3,36 7.3,36.8 ; D2.A@8.03,29.025 8.739,29.734 9.434,29.734 ; D1.A@8.13,39.125 8.921,39.916 10,39.916 10.428,40.344 12.051,40.344 12.2,40.493 12.2,41.7 12.048,41.852 11.573,41.852 C4.2 ; 9.434,29.734 11.734,29.734 12.3,30.3 12.3,31.876 12.151,32.025 ; 11.7,35.988 C5.1 12.53,34.725 D4.A@13.13,34.125 ; 12.151,32.025 12.151,33.096 13.13,34.075 D4.A D4.A@13.13,34.125
  Top Layer w0.5: C21.2 10.975,12.4 10.925,12.45 10.925,12.475 10.7,12.7 v1(10.7,15.332) 10.993,15.625 11.051,15.625 ; 12.151,32.025 13.598,32.025 13.873,32.3 v1(13.9,32.3)
  Bottom Layer w0.254: v1(3.4,8.5) 2.917,8.983 2.917,10.874 2.391,11.4 v1(2.3,11.4) 2.3,12.365 3.8,13.865 v1(3.8,17.5) ; v1(3.8,40.1) 3.825,40.125 3.825,40.781 4.171,41.127 5.032,41.127 6.159,40 v1(6.2,40) 6.2,38.3 7.2,37.3 v1(7.2,37.212) ; v1(9.775,12.2) 9.775,12.106 10.1,11.781 TP1.1 ; v1(13.9,32.3) 15.2,33.6 15.2,38.2 v1(14,39.4)
  Bottom Layer w0.5: v1(10.7,15.332) 10.7,21.3 12.5,23.1 v1(14.8,23.1) 14.819,23.119 15.719,23.119 16.5,23.9 16.5,29.7 v1(13.9,32.3)
VCC_5V: C22.2 D5.2 U6.1 U6.3 | length 7.3
  Top Layer w0.5: U6.1 12.3,9.85 12.3,9.193 12.593,8.9 13.8,8.9 ; U6.3 14.1,9.85 14.1,9.2 13.8,8.9 ; D5.2 C22.2 14.24,8.46 13.8,8.9
pads on no net: SW1. SW1.1 SW1.2 U1.4 U1.6 U1.9 U1.10 U1.14 U1.16 U2.4 U2.6 U2.9 U2.10 U2.14 U2.16 U3.4 U3.6 U3.9 U3.10 U3.14 U3.16 U4.4 U4.6 U4.9 U4.10 U4.14 U4.16 U5.2 U5.18 U5.19 U5.21 U5.27 U5.28 U5.29 U5.32 U5.33 U5.38 U5.39 U5.45 U5.46 U7.4 U7.5 U7.6 USBC1. X2.2 X2.4

## Polygon pours and split planes (outlines as drawn)
GND on Bottom Layer "GND_L02_P003" (solid, remove dead copper, pour order 3): -0.1,45.9 17.9,45.9 17.9,1.2 16.6,-0.1 1.3,-0.1 -0.1,1.3
GND on Bottom Layer "GND_L02_P002" (solid, remove dead copper, pour order 2): -0.1,21.9 -2.1,19.9 -5.35,19.9 -6.1,19.15 -6.1,0.9 -5.1,-0.1 22.9,-0.1 23.9,0.9 23.9,19.15 23.15,19.9 19.9,19.9 17.9,21.9
GND on Top Layer "GND_L01_P001" (solid, remove dead copper, pour order 1): -0.275,27.025 -6.1,21.2 -6.1,0.9 -5.1,-0.1 22.9,-0.1 23.9,0.9 23.9,22.027 18.902,27.025

## Keep-outs
Keep-Out Layer:
  lines w0.254: -0.1,21.9 -0.1,27.9 -0.1,45.9 17.9,45.9 17.9,27.9 17.9,21.9 ; -0.1,23.9 -0.1,1.9 ccw(c1.9,1.9) 1.9,-0.1 15.9,-0.1 ccw(c15.9,1.9) 17.9,1.9 17.9,23.9

## Other copper
Top Layer:
  region net GND: 2.3,31.7 2.3,29.8 3.4,28.7 4.8,28.7 4.8,31.7
  region net VCC_3V3: 9.3,12.7 9.3,11.8 10.2,11.8 10.5,12.1 11.6,12.1 11.9,11.8 11.9,11.6 12.6,11.6 12.6,12.7
  region net GND: 16.9,21.4 16.9,19.5 17.5,19.5 17.5,21.4

## Silkscreen, mask and mechanical layers (free items; w line width, h text height)
Top Overlay:
  drawing of 17 lines, arcs and shapes, not listed
  text "iic" at 4.25,24.165 h0.89 r90
  text "dio" at 2.45,21.05 h0.89 r270
  text "clk" at 2.45,19.05 h0.89 r270
  text "gnd" at 0.446,15.25 h0.89 r270
  text "res" at 0.85,0.75 h0.89
Bottom Overlay:
  lines w0.254: 6.4,45.5 17.3,45.5 ; 6.4,45.5 6.4,43.9 17.3,43.9 17.3,45.5 ; 6.4,45.5 17.3,45.5 ; 6.4,45.5 6.4,41.2 17.3,41.2 17.3,45.5
  text "MERCI PROJECT" at 16.95,44.25 h0.89
  text "sensor board v0.2" at 16.95,42.85 h0.85
  text "ultralyj 2023/5/4" at 17.05,41.617 h0.8
  text "3.3v" at 13.95,9.65 h0.89
  text "rxd" at 5.35,8.05 h0.89
  text "txd" at 8.25,8.05 h0.89